# Altium PCB MiniPC.PcbDoc (part 14 of 22)
Units mm, origin at the board's own origin, x right, y up, seen from the top; angles counter-clockwise.
Board outline 175 x 155 mm, 16 copper layers (1_Top, 2_int1_(gnd), 3_int2_(power), 4_int3_(gnd), 5_int4_(sign), 6_int5_(power), 7_int6_(sign), 8_int7_(power), 9_int8_(gnd), 10_int9_(sign), 11_int10_(gnd), 12_int11_(sign), 13_int12_(gnd), 14_int13_(power), 15_int14_(gnd), 16_Bottom), stack 2.008 mm thick; 1046 components, 837 nets, 6010 pads, 3950 vias.
Unrouted connection lines stored in the file: 585.
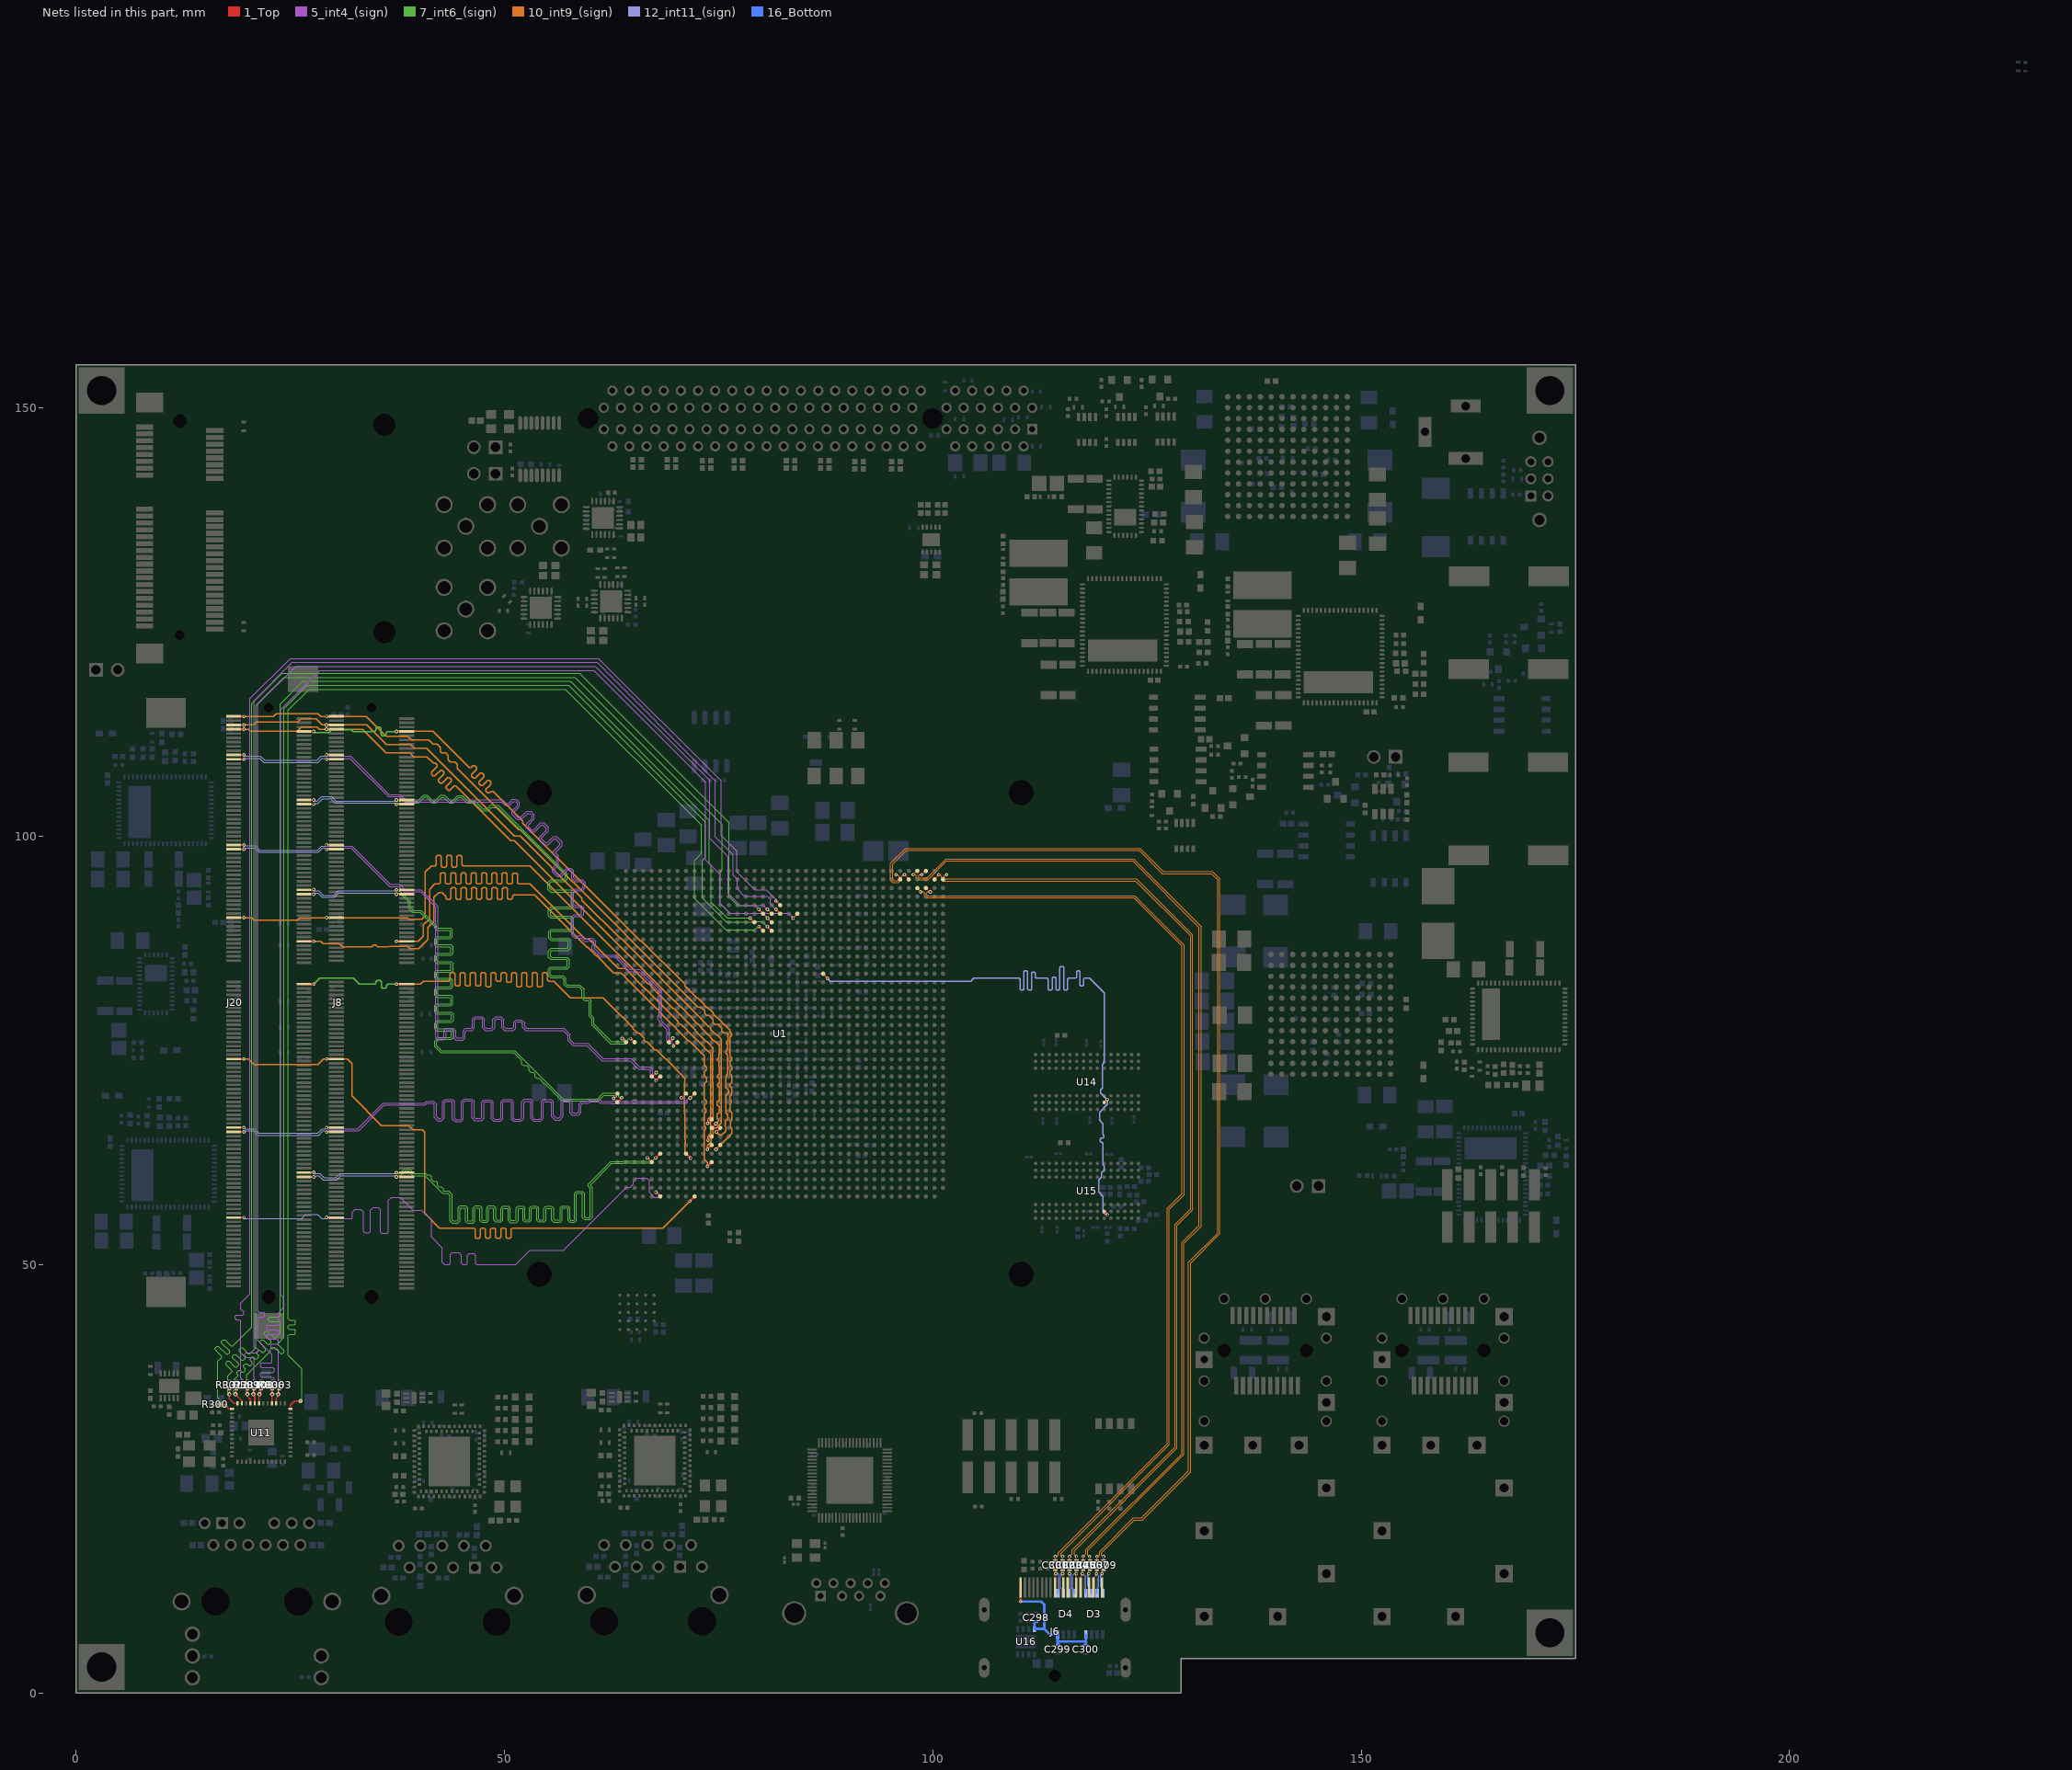
[diagram p28: the nets of this part, all layers, seen from the top]

## Via types
v1: diameter 0.4, hole 0.2, 1_Top to 16_Bottom, tented both sides, 1651 vias
v2: diameter 0.5, hole 0.2, 1_Top to 16_Bottom, tented both sides, 983 vias
v3: diameter 0.7, hole 0.3, 1_Top to 16_Bottom, tented both sides, 915 vias
v4: diameter 0.6, hole 0.2, 1_Top to 16_Bottom, tented both sides, 278 vias
v5: diameter 0.4, hole 0.2, 1_Top to 16_Bottom, 78 vias
v6: diameter 0.4/0/0/0/0/0/0/0/0/0/0/0/0/0/0/0.4 (per signal layer), hole 0.2, 1_Top to 16_Bottom, tented both sides, 18 vias
v7: diameter 0.5, hole 0.254, 1_Top to 16_Bottom, tented both sides, 15 vias
v8: diameter 0.4/0/0/0/0/0/0/0/0/0/0/0.4/0.4/0.4/0.4/0.4 (per signal layer), hole 0.2, 1_Top to 16_Bottom, tented both sides, 10 vias
v9: diameter 0.5, hole 0.2, 1_Top to 16_Bottom, 2 vias

## Nets (pads, with @x,y where several pads share a name; then routed paths per layer and width w, separated by ;. In a path a pad name is that pad's centre, name@x,y a point inside that pad or via, vN(x,y) a via of type N, cw(c..) or ccw(c..) an arc to the next point about the centre after c; other vN are vias at no path point) (continued)
DDR4_SODIMM_DQS1_P: J8.34 J20.34 U1.AW6 | length 82.2
  1_Top w0.15: J20.34@18.4,55.475 v1(19.602,55.475) ; v1(29.251,55.503) 30.372,55.503 J8.34@30.4,55.475 ; v1(67.675,58.45) 67.683,58.45 U1.AW6@68.194,57.939
  5_int4_(sign) w0.13: v1(29.251,55.503) 29.251,55.474 29.375,55.35 32.136,55.35 32.285,55.499 32.285,56.099 32.601,56.415 33.259,56.415 33.575,56.099 33.575,53.839 33.714,53.7 34.185,53.7 34.335,53.85 34.335,56.299 34.676,56.64 35.249,56.64 35.525,56.364 35.525,53.775 35.65,53.65 36.269,53.65 36.442,53.823 36.442,57.482 36.811,57.85 37.865,57.85 39.375,56.34 40.334,56.34 41.49,55.184 41.49,53.199 42.75,51.939 42.75,50.25 42.985,50.015 43.575,50.015 43.71,50.15 43.71,51.149 43.926,51.365 44.699,51.365 45,51.064 45,50.15 45.135,50.015 45.59,50.015 45.675,50.1 45.675,51.05 45.9,51.275 46.425,51.275 46.675,51.025 46.675,50.1 46.76,50.015 50.456,50.015 ; 49.65,50.015 50.456,50.015 ; 65.849,60.064 65.459,60.064 65.07,59.676 65.07,59.634 65.069,59.633 65.069,59.403 64.666,59 64.226,59 56.888,51.662 52.973,51.662 51.326,50.015 50.456,50.015 ; 65.85,60.065 66.538,60.065 ; 66.539,60.064 66.6,60.064 66.925,59.739 66.925,58.4 67.475,57.85 68.025,57.85 68.05,57.875 68.05,58.225 67.75,58.525 v1(67.675,58.45)
  12_int11_(sign) w0.13: v1(19.602,55.475) 19.712,55.365 25.219,55.365 25.224,55.36 26.346,55.36 26.816,55.83 28.209,55.83 28.681,55.359 29.108,55.359 v1(29.251,55.503)
DDR4_SODIMM_DQS2_N: J8.53 J20.53 U1.AP6 | length 84.2
  1_Top w0.15: J20.53@26.6,60.225 v1(27.75,60.225) ; v1(37.398,60.225) J8.53@38.6,60.225 ; v1(67.65,62.45) 67.7,62.45 68.189,62.939 U1.AP6@68.194,62.939
  7_int6_(sign) w0.13: v1(37.398,60.225) 37.523,60.35 37.839,60.35 38.424,60.935 38.801,60.935 39.376,60.36 40.74,60.36 42.765,58.335 43.365,58.335 43.65,58.05 43.65,55.086 43.901,54.835 44.574,54.835 44.825,55.086 44.825,56.475 44.95,56.6 45.35,56.6 45.475,56.475 45.475,55.061 45.736,54.8 46.325,54.8 46.565,55.04 46.565,56.49 46.685,56.61 47.015,56.61 47.15,56.475 47.15,55.136 47.376,54.91 47.935,54.91 48.165,55.14 48.165,56.5 48.275,56.61 48.64,56.61 48.75,56.5 48.75,55.186 48.976,54.96 49.624,54.96 49.84,55.176 49.84,56.465 49.925,56.55 50.336,56.55 50.45,56.436 50.45,55.136 50.701,54.885 51.374,54.885 51.615,55.126 51.615,56.49 51.675,56.55 52.1,56.55 52.175,56.475 52.175,55.161 52.376,54.96 52.949,54.96 53.165,55.176 53.165,56.476 53.264,56.575 53.675,56.575 53.775,56.475 53.775,55.161 53.976,54.96 54.624,54.96 54.84,55.176 54.84,56.45 54.94,56.55 55.425,56.55 55.525,56.45 55.525,55.186 55.776,54.935 56.524,54.935 56.765,55.176 56.765,56.54 56.8,56.575 57.325,56.575 57.425,56.475 57.425,55.125 57.64,54.91 58.174,54.91 58.425,55.161 58.425,58.2 58.525,58.3 59.025,58.3 59.125,58.2 59.125,55.475 59.365,55.235 60.024,55.235 60.265,55.476 60.265,58.969 60.04,59.194 60.04,59.301 62.329,61.59 ; 62.329,61.591 62.529,61.79 63.901,61.79 63.945,61.834 67.116,61.834 67.308,62.026 67.308,62.125 67.633,62.45 v1(67.65,62.45)
  10_int9_(sign) w0.13: 27.271,60.305 27.191,60.225 ; v1(27.75,60.225) 27.191,60.225 ; 27.191,60.225 27.141,60.175 27.139,60.175 27.089,60.225 27.191,60.225
  12_int11_(sign) w0.13: v1(27.75,60.225) 27.9,60.375 28.35,60.375 28.855,59.87 30.434,59.87 30.904,60.34 37.283,60.34 v1(37.398,60.225)
DDR4_SODIMM_DQS2_P: J8.55 J20.55 U1.AR5 | length 83.4
  1_Top w0.15: J20.55@26.6,60.725 26.628,60.753 v1(27.751,60.753) ; v1(37.398,60.725) J8.55@38.6,60.725 ; v1(66.7,62.45) 66.7,62.438 67.194,61.944 U1.AR5@67.194,61.939
  7_int6_(sign) w0.13: v1(37.398,60.725) 37.523,60.6 37.75,60.6 38.325,61.175 38.9,61.175 39.475,60.6 40.839,60.6 40.964,60.475 41.275,60.475 41.5,60.25 41.5,59.939 41.725,59.714 42.036,59.714 42.2,59.55 42.2,59.239 42.364,59.075 42.65,59.075 42.875,58.85 42.875,58.575 43.464,58.575 43.89,58.149 43.89,55.185 44,55.075 44.475,55.075 44.585,55.185 44.585,56.574 44.851,56.84 45.449,56.84 45.715,56.574 45.715,55.16 45.8,55.075 46.25,55.075 46.325,55.15 46.325,56.589 46.586,56.85 47.114,56.85 47.39,56.574 47.39,55.235 47.475,55.15 47.836,55.15 47.925,55.239 47.925,56.599 48.176,56.85 48.739,56.85 48.99,56.599 48.99,55.285 49.075,55.2 49.525,55.2 49.6,55.275 49.6,56.564 49.826,56.79 50.435,56.79 50.69,56.535 50.69,55.235 50.8,55.125 51.275,55.125 51.375,55.225 51.375,56.589 51.576,56.79 52.199,56.79 52.415,56.574 52.415,55.26 52.475,55.2 52.85,55.2 52.925,55.275 52.925,56.575 53.165,56.815 53.774,56.815 54.015,56.574 54.015,55.26 54.075,55.2 54.525,55.2 54.6,55.275 54.6,56.549 54.841,56.79 55.524,56.79 55.765,56.549 55.765,55.285 55.875,55.175 56.425,55.175 56.525,55.275 56.525,56.639 56.701,56.815 57.424,56.815 57.665,56.574 57.665,55.224 57.739,55.15 58.075,55.15 58.185,55.26 58.185,58.299 58.426,58.54 59.124,58.54 59.365,58.299 59.365,55.574 59.464,55.475 59.925,55.475 60.025,55.575 60.025,58.87 59.8,59.095 59.8,59.4 62.089,61.689 62.429,62.03 63.801,62.03 63.845,62.074 67.017,62.074 67.068,62.125 66.743,62.45 v1(66.7,62.45)
  12_int11_(sign) w0.13: v1(27.751,60.753) 27.889,60.615 28.449,60.615 28.954,60.11 30.335,60.11 30.835,60.61 37.283,60.61 v1(37.398,60.725)
DDR4_SODIMM_DQS3_N: J8.74 J20.74 U1.AG10 | length 88.7
  1_Top w0.15: J20.74@18.4,65.475 v1(19.602,65.475) ; v1(29.25,65.45) 30.375,65.45 J8.74@30.4,65.475 ; v1(71.694,69.439) U1.AG10@72.194,69.939 v1(71.694,69.439)
  5_int4_(sign) w0.13: v1(29.25,65.45) 29.392,65.593 32.967,65.593 33.051,65.676 35.985,68.61 40.765,68.61 40.98,68.825 41.625,68.825 41.825,68.625 41.825,67.176 42.251,66.75 42.639,66.75 43.015,67.126 43.015,68.89 43.16,69.035 43.84,69.035 43.925,68.95 43.925,66.961 44.226,66.66 44.949,66.66 45.215,66.926 45.215,68.89 45.41,69.085 46.09,69.085 46.225,68.95 46.225,67.086 46.501,66.81 47.324,66.81 47.59,67.076 47.59,68.851 47.724,68.985 48.301,68.985 48.45,68.836 48.45,67.011 48.751,66.71 49.524,66.71 49.84,67.026 49.84,68.89 49.985,69.035 50.665,69.035 50.825,68.875 50.825,66.961 51.051,66.735 51.949,66.735 52.265,67.051 52.265,68.89 52.435,69.06 52.915,69.06 53.075,68.9 53.075,67.061 53.401,66.735 54.224,66.735 54.54,67.051 54.54,68.876 54.674,69.01 55.376,69.01 55.5,68.886 55.5,67.287 55.927,66.86 56.449,66.86 56.865,67.276 56.865,68.901 56.974,69.01 57.526,69.01 57.66,68.876 57.66,67.676 57.876,67.46 58.674,67.46 58.96,67.746 58.96,68.621 59.164,68.825 59.864,68.825 60.039,69 61.043,69 61.218,68.825 62.469,68.825 62.499,68.795 63.001,68.795 63.031,68.825 71.138,68.825 71.314,69.001 71.314,69.225 71.528,69.439 v1(71.694,69.439)
  12_int11_(sign) w0.13: v1(19.602,65.475) 19.632,65.475 19.767,65.61 20.701,65.61 21.221,65.09 28.329,65.09 28.832,65.593 29.108,65.593 v1(29.25,65.45)
DDR4_SODIMM_DQS3_P: J8.76 J20.76 U1.AG9 | length 88.5
  1_Top w0.15: J20.76@18.4,65.975 v1(19.602,65.975) ; v1(29.25,65.975) J8.76@30.4,65.975 ; v1(70.65,69.45) 70.705,69.45 U1.AG9@71.194,69.939 v1@70.694,69.439
  5_int4_(sign) w0.13: v1(29.25,65.975) 29.375,65.85 32.886,65.85 32.951,65.916 35.886,68.85 40.666,68.85 40.881,69.065 41.724,69.065 42.065,68.724 42.065,67.275 42.35,66.99 42.54,66.99 42.775,67.225 42.775,68.989 43.061,69.275 43.939,69.275 44.165,69.049 44.165,67.06 44.325,66.9 44.85,66.9 44.975,67.025 44.975,68.989 45.311,69.325 46.189,69.325 46.465,69.049 46.465,67.185 46.6,67.05 47.225,67.05 47.35,67.175 47.35,68.95 47.625,69.225 48.4,69.225 48.69,68.935 48.69,67.11 48.85,66.95 49.425,66.95 49.6,67.125 49.6,68.989 49.886,69.275 50.764,69.275 51.065,68.974 51.065,67.06 51.15,66.975 51.85,66.975 52.025,67.15 52.025,68.989 52.336,69.3 53.014,69.3 53.315,68.999 53.315,67.16 53.5,66.975 54.125,66.975 54.3,67.15 54.3,68.975 54.575,69.25 55.475,69.25 55.74,68.985 55.74,67.386 56.026,67.1 56.35,67.1 56.625,67.375 56.625,69 56.875,69.25 57.625,69.25 57.9,68.975 57.9,67.775 57.975,67.7 58.575,67.7 58.72,67.845 58.72,68.72 59.065,69.065 59.765,69.065 59.94,69.24 61.143,69.24 61.318,69.065 62.569,69.065 62.599,69.035 62.901,69.035 63.016,69.15 63.4,69.15 63.485,69.065 64.9,69.065 65.085,69.25 65.3,69.25 65.485,69.065 71.039,69.065 71.074,69.1 71.074,69.225 70.849,69.45 v1(70.65,69.45)
  12_int11_(sign) w0.13: v1(19.602,65.975) 19.727,65.85 20.8,65.85 21.32,65.33 28.23,65.33 28.733,65.832 29.108,65.832 v1(29.25,65.975)
DDR4_SODIMM_DQS4_N: J8.177 J20.177 U1.AG1 | length 83.1
  1_Top w0.15: J20.177@26.6,93.225 v1(27.75,93.225) ; v1(37.398,93.225) J8.177@38.6,93.225 ; v1(62.75,69.4) 63.194,69.844 U1.AG1@63.194,69.939
  7_int6_(sign) w0.13: v1(37.398,93.225) 37.523,93.35 37.775,93.35 38.81,92.315 38.81,91.576 39.286,91.1 40.161,91.1 41.85,89.411 41.85,89.25 42.09,89.01 43.59,89.01 43.675,88.925 43.675,88.35 43.6,88.275 42.061,88.275 41.85,88.064 41.85,87.311 42.076,87.085 43.665,87.085 43.775,86.975 43.775,86.4 43.7,86.325 42.111,86.325 41.85,86.064 41.85,85.361 42.076,85.135 43.665,85.135 43.775,85.025 43.775,84.4 43.725,84.35 42.061,84.35 41.85,84.139 41.85,83.436 42.076,83.21 43.64,83.21 43.725,83.125 43.725,82.5 43.65,82.425 42.111,82.425 41.85,82.164 41.85,81.436 42.101,81.185 43.665,81.185 43.75,81.1 43.75,80.5 43.675,80.425 42.086,80.425 41.85,80.189 41.85,79.476 42.091,79.235 43.715,79.235 43.825,79.125 43.825,78.6 43.725,78.5 42.175,78.5 41.85,78.175 41.85,77.511 42.101,77.26 43.715,77.26 43.825,77.15 43.825,76.6 43.75,76.525 42.276,76.525 41.85,76.099 41.85,75.436 42.561,74.725 51.086,74.725 52.011,73.8 52.011,73.414 52.207,73.218 52.593,73.218 52.875,72.936 52.875,72.65 53.107,72.418 53.393,72.418 53.58,72.23 53.58,71.945 53.782,71.743 54.068,71.743 54.3,71.511 54.3,71.425 54.645,71.08 54.73,71.08 56.732,69.078 60.968,69.078 61.639,69.75 63.025,69.75 63.1,69.675 63.1,69.575 62.925,69.4 v1(62.75,69.4)
  12_int11_(sign) w0.13: v1(27.75,93.225) 27.9,93.375 28.236,93.375 28.741,92.87 30.195,92.87 30.665,93.34 37.283,93.34 v1(37.398,93.225)
DDR4_SODIMM_DQS4_P: J8.179 J20.179 U1.AH1 | length 82.9
  1_Top w0.15: J20.179@26.6,93.725 26.625,93.75 v1(27.75,93.75) ; v1(37.398,93.725) J8.179@38.6,93.725 ; U1.AH1@63.194,68.939 63.7,69.445 v1(63.7,69.475)
  7_int6_(sign) w0.13: v1(37.398,93.725) 37.489,93.725 37.624,93.59 37.874,93.59 39.05,92.414 39.05,91.675 39.385,91.34 40.26,91.34 42.09,89.51 42.09,89.349 42.189,89.25 43.689,89.25 43.915,89.024 43.915,88.251 43.699,88.035 42.16,88.035 42.09,87.965 42.09,87.41 42.175,87.325 43.764,87.325 44.015,87.074 44.015,86.301 43.799,86.085 42.21,86.085 42.09,85.965 42.09,85.46 42.175,85.375 43.764,85.375 44.015,85.124 44.015,84.301 43.824,84.11 42.16,84.11 42.09,84.04 42.09,83.535 42.175,83.45 43.739,83.45 43.965,83.224 43.965,82.401 43.749,82.185 42.21,82.185 42.09,82.065 42.09,81.535 42.2,81.425 43.764,81.425 43.99,81.199 43.99,80.401 43.774,80.185 42.185,80.185 42.09,80.09 42.09,79.575 42.19,79.475 43.814,79.475 44.065,79.224 44.065,78.501 43.824,78.26 42.274,78.26 42.09,78.076 42.09,77.61 42.2,77.5 43.814,77.5 44.065,77.249 44.065,76.501 43.849,76.285 42.375,76.285 42.09,76 42.09,75.535 42.66,74.965 51.185,74.965 56.832,69.318 60.868,69.318 61.54,69.99 63.124,69.99 63.34,69.774 63.34,69.575 63.44,69.475 v1(63.7,69.475)
  12_int11_(sign) w0.13: v1(27.75,93.75) 27.885,93.615 28.335,93.615 28.84,93.11 30.096,93.11 30.596,93.61 37.283,93.61 v1(37.398,93.725)
DDR4_SODIMM_DQS5_N: J8.198 J20.198 U1.AE6 | length 93.3
  1_Top w0.15: J20.198@18.4,98.475 v1(19.602,98.475) ; v1(29.251,98.455) 30.38,98.455 J8.198@30.4,98.475 ; v1(67.7,71.45) 68.189,71.939 U1.AE6@68.194,71.939
  5_int4_(sign) w0.13: v1(29.251,98.455) 29.392,98.595 32.106,98.595 36.591,94.11 37.676,94.11 38.286,93.5 40.186,93.5 41.985,91.701 ; 41.985,80.068 41.985,91.701 ; v1(67.7,71.45) 67.675,71.475 67.675,71.575 67.481,71.769 67.176,71.769 67.035,71.91 67.035,72.25 67.069,72.284 67.069,72.595 66.849,72.814 65.661,72.814 64.69,73.785 63.831,73.785 63.826,73.79 63.524,73.79 63.519,73.785 61.425,73.785 59.66,75.55 58.001,75.55 57.425,76.126 57.425,76.725 56.84,77.31 52.501,77.31 52.15,77.661 52.15,78.061 51.886,78.325 51.464,78.325 51.34,78.201 51.34,77.601 51.049,77.31 50.016,77.31 49.7,77.626 49.7,78.475 49.5,78.675 49.09,78.675 48.89,78.475 48.89,77.651 48.549,77.31 47.766,77.31 47.45,77.626 47.45,78.575 47.325,78.7 46.65,78.7 46.515,78.565 46.515,77.626 46.199,77.309 45.574,77.309 45.415,77.151 45.415,76.476 45.124,76.185 44.351,76.185 44.1,76.436 44.1,77.135 43.925,77.31 43.275,77.31 43.19,77.225 43.19,76.501 42.924,76.235 42.201,76.235 41.985,76.451 41.985,91.701
  12_int11_(sign) w0.13: v1(19.602,98.475) 19.7,98.475 19.85,98.625 20.836,98.625 21.351,98.11 28.299,98.11 28.784,98.595 29.111,98.595 v1(29.251,98.455)
DDR4_SODIMM_DQS5_P: J8.200 J20.200 U1.AE5 | length 81.9
  1_Top w0.15: J20.200@18.4,98.975 v1(19.602,98.975) ; v1(29.25,98.975) J8.200@30.4,98.975 ; U1.AE5@67.194,71.939 67.194,71.819 67.725,72.35 v1(67.725,72.4)
  5_int4_(sign) w0.13: v1(29.25,98.975) 29.39,98.835 32.205,98.835 36.69,94.35 37.775,94.35 38.385,93.74 40.285,93.74 42.225,91.8 42.225,76.55 42.3,76.475 42.825,76.475 42.95,76.6 42.95,77.324 43.176,77.55 44.024,77.55 44.34,77.234 44.34,76.535 44.45,76.425 45.025,76.425 45.175,76.575 45.175,77.25 45.475,77.55 46.1,77.55 46.275,77.725 46.275,78.664 46.551,78.94 47.424,78.94 47.69,78.674 47.69,77.725 47.865,77.55 48.45,77.55 48.65,77.75 48.65,78.574 48.991,78.915 49.599,78.915 49.94,78.574 49.94,77.725 50.115,77.55 50.95,77.55 51.1,77.7 51.1,78.3 51.365,78.565 51.985,78.565 52.39,78.16 52.39,77.76 52.6,77.55 56.939,77.55 57.665,76.824 57.665,76.225 58.1,75.79 59.759,75.79 61.524,74.025 63.419,74.025 63.424,74.03 63.926,74.03 63.931,74.025 64.789,74.025 65.76,73.054 66.949,73.054 67.309,72.694 67.309,72.185 67.275,72.151 67.275,72.009 67.375,72.009 67.725,72.359 v1(67.725,72.4)
  12_int11_(sign) w0.13: v1(19.602,98.975) 19.611,98.975 v1@19.716,98.869 ; v1@19.712,98.865 20.935,98.865 21.45,98.35 28.2,98.35 28.685,98.835 29.11,98.835 v1(29.25,98.975)
DDR4_SODIMM_DQS6_N: J8.219 J20.219 U1.AA3 | length 85.5
  1_Top w0.15: J20.219@26.6,103.725 26.625,103.75 26.695,103.68 26.765,103.75 26.81,103.705 26.83,103.725 v1(27.75,103.725) ; v1(37.402,103.705) 38.58,103.705 J8.219@38.6,103.725 ; v1(64.725,76.35) 65.061,76.014 65.119,76.014 U1.AA3@65.194,75.939
  7_int6_(sign) w0.13: v1(37.402,103.705) 37.547,103.85 40,103.85 40.7,104.55 40.886,104.55 41.586,103.85 41.975,103.85 42.66,104.535 42.901,104.535 43.586,103.85 43.999,103.85 44.659,104.51 44.99,104.51 45.65,103.85 46.5,103.85 47.4,102.95 48.089,102.95 48.138,102.999 48.489,103.35 49.2,103.35 57.1,95.45 57.1,95.075 56.94,94.915 55.401,94.915 55.06,94.574 55.06,93.801 55.386,93.475 57.65,93.475 57.8,93.325 57.8,91.85 57.715,91.765 55.451,91.765 55.135,91.449 55.135,90.701 55.386,90.45 57.65,90.45 57.8,90.3 57.8,89.275 57.665,89.14 55.426,89.14 55.16,88.874 55.16,88.116 55.451,87.825 57.35,87.825 57.45,87.725 57.45,87 57.34,86.89 55.426,86.89 55.135,86.599 55.135,85.866 55.401,85.6 57.225,85.6 57.35,85.475 57.35,84.85 57.24,84.74 55.351,84.74 55.11,84.499 55.11,83.751 55.386,83.475 56.75,83.475 56.935,83.29 56.935,82.701 57.251,82.385 58.701,82.385 59.06,82.026 59.06,81.101 59.351,80.81 59.765,80.81 59.893,80.683 59.893,78.958 60.21,78.641 60.21,77.951 62.401,75.76 64.217,75.76 64.357,75.901 64.357,76.225 64.482,76.35 v1(64.725,76.35)
  12_int11_(sign) w0.13: v1(27.75,103.725) 27.875,103.725 27.975,103.825 28.25,103.825 28.795,104.37 29.741,104.37 30.251,103.86 32.875,103.86 32.885,103.85 37.257,103.85 v1(37.402,103.705)
DDR4_SODIMM_DQS6_P: J8.221 J20.221 U1.AA2 | length 85.2
  1_Top w0.15: J20.221@26.6,104.225 26.625,104.2 26.65,104.225 v1(27.75,104.225) ; v1(37.398,104.225) J8.221@38.6,104.225 ; v1(63.75,76.375) 63.75,76.383 U1.AA2@64.194,75.939
  7_int6_(sign) w0.13: v1(37.398,104.225) 37.398,104.152 37.46,104.09 37.875,104.09 37.935,104.15 38.25,104.15 38.31,104.09 39.901,104.09 40.601,104.79 40.985,104.79 41.685,104.09 41.876,104.09 42.561,104.775 43,104.775 43.685,104.09 43.9,104.09 44.56,104.75 45.089,104.75 45.749,104.09 46.599,104.09 47.499,103.19 47.99,103.19 48.039,103.239 48.39,103.59 49.299,103.59 57.34,95.549 57.34,94.976 57.039,94.675 55.5,94.675 55.3,94.475 55.3,93.9 55.485,93.715 57.749,93.715 58.04,93.424 58.04,91.751 57.814,91.525 55.55,91.525 55.375,91.35 55.375,90.8 55.485,90.69 57.749,90.69 58.04,90.399 58.04,89.176 57.764,88.9 55.525,88.9 55.4,88.775 55.4,88.215 55.55,88.065 57.449,88.065 57.69,87.824 57.69,86.901 57.439,86.65 55.525,86.65 55.375,86.5 55.375,85.965 55.5,85.84 57.324,85.84 57.59,85.574 57.59,84.751 57.339,84.5 55.45,84.5 55.35,84.4 55.35,83.85 55.485,83.715 56.849,83.715 57.175,83.389 57.175,82.8 57.35,82.625 58.8,82.625 59.3,82.125 59.3,81.2 59.45,81.05 59.864,81.05 60.133,80.782 60.133,79.058 60.45,78.74 60.45,78.05 62.5,76 64.117,76 64.117,76.225 63.967,76.375 v1(63.75,76.375)
  12_int11_(sign) w0.13: v1(27.75,104.225) 27.78,104.225 27.94,104.065 28.151,104.065 28.696,104.61 29.84,104.61 30.35,104.1 37.273,104.1 v1(37.398,104.225)
DDR4_SODIMM_DQS7_N: J8.240 J20.240 U1.AA8 | length 91.5
  1_Top w0.15: J20.240@18.4,108.975 v1(19.602,108.975) ; v1(29.25,108.975) J8.240@30.4,108.975 ; v1(69.725,75.479) 70.186,75.939 U1.AA8@70.194,75.939
  5_int4_(sign) w0.13: v1(29.25,108.975) 29.325,108.975 29.45,109.1 31.961,109.1 36.451,104.61 37.751,104.61 38.361,104 49.675,104 50.07,103.605 50.594,103.605 51.045,104.055 51.295,104.055 51.525,103.825 51.525,103.55 50.91,102.935 50.91,102.526 51.501,101.935 51.974,101.935 52.689,102.65 53,102.65 53.25,102.4 53.25,102.1 52.56,101.41 52.56,100.976 53.051,100.485 53.51,100.485 54.325,101.3 54.5,101.3 54.875,100.925 54.875,100.675 54.11,99.91 54.11,99.565 54.665,99.01 55.124,99.01 55.807,99.693 55.932,99.693 56.475,99.15 56.475,98.975 55.73,98.23 55.73,97.945 56.075,97.6 56.075,96.7 55.61,96.235 55.61,95.826 56.151,95.285 56.624,95.285 57.369,96.03 57.645,96.03 57.85,95.825 57.85,95.076 58.241,94.685 58.99,94.685 59.2,94.475 59.2,94.075 58.975,93.85 58.251,93.85 57.85,93.449 57.85,91.961 58.126,91.685 58.84,91.685 59,91.525 59,91 58.85,90.85 58.086,90.85 57.85,90.614 57.85,88.486 58.226,88.11 58.951,88.11 59.326,87.735 59.799,87.735 59.939,87.875 60.186,87.875 60.435,87.626 60.435,87.399 60.235,87.199 60.235,86.826 61.186,85.875 62.9,85.875 64.595,84.18 65.705,84.18 68.069,81.817 68.069,81.369 67.925,81.225 67.925,80.894 68.069,80.75 68.069,79.194 67.925,79.05 67.925,78.61 68.06,78.475 68.06,78.365 68.985,77.44 68.985,76.035 69.201,75.818 69.707,75.818 69.725,75.8 v1(69.725,75.479)
  12_int11_(sign) w0.13: v1(19.602,108.975) 19.727,109.1 21.411,109.1 21.901,108.61 28.235,108.61 28.725,109.1 29.125,109.1 v1(29.25,108.975)
DDR4_SODIMM_DQS7_P: J8.242 J20.242 U1.AA7 | length 91.1
  1_Top w0.15: J20.242@18.4,109.475 v1(19.602,109.475) ; v1(29.25,109.475) J8.242@30.4,109.475 ; U1.AA7@69.194,75.939 69.194,75.969 v1(69.65,76.425)
  5_int4_(sign) w0.13: v1(29.25,109.475) 29.325,109.475 29.46,109.34 30.026,109.34 32.06,109.34 36.55,104.85 37.85,104.85 38.46,104.24 49.774,104.24 50.17,103.845 50.495,103.845 50.945,104.295 51.394,104.295 51.765,103.924 51.765,103.451 51.15,102.836 51.15,102.625 51.6,102.175 51.875,102.175 52.59,102.89 53.099,102.89 53.49,102.499 53.49,102.001 52.8,101.311 52.8,101.075 53.15,100.725 53.411,100.725 54.226,101.54 54.599,101.54 55.115,101.024 55.115,100.576 54.35,99.811 54.35,99.664 54.764,99.25 55.025,99.25 55.708,99.933 56.092,99.933 56.715,99.31 56.715,98.876 55.97,98.13 55.97,98.045 56.315,97.699 56.315,96.601 55.85,96.136 55.85,95.925 56.25,95.525 56.525,95.525 57.27,96.27 57.745,96.27 58.09,95.924 58.09,95.175 58.34,94.925 59.089,94.925 59.44,94.574 59.44,93.976 59.074,93.61 58.35,93.61 58.09,93.35 58.09,92.06 58.225,91.925 58.939,91.925 59.24,91.624 59.24,90.901 58.949,90.61 58.185,90.61 58.09,90.515 58.09,88.585 58.325,88.35 59.05,88.35 59.425,87.975 59.7,87.975 59.84,88.115 60.285,88.115 60.675,87.725 60.675,87.3 60.475,87.1 60.475,86.925 61.285,86.115 62.999,86.115 64.694,84.42 65.805,84.42 68.309,81.916 68.309,78.455 69.225,77.539 69.225,76.134 69.292,76.067 69.492,76.067 69.65,76.225 v1(69.65,76.425)